# Altium PCB PCB.PcbDoc (part 2 of 3) (continued)
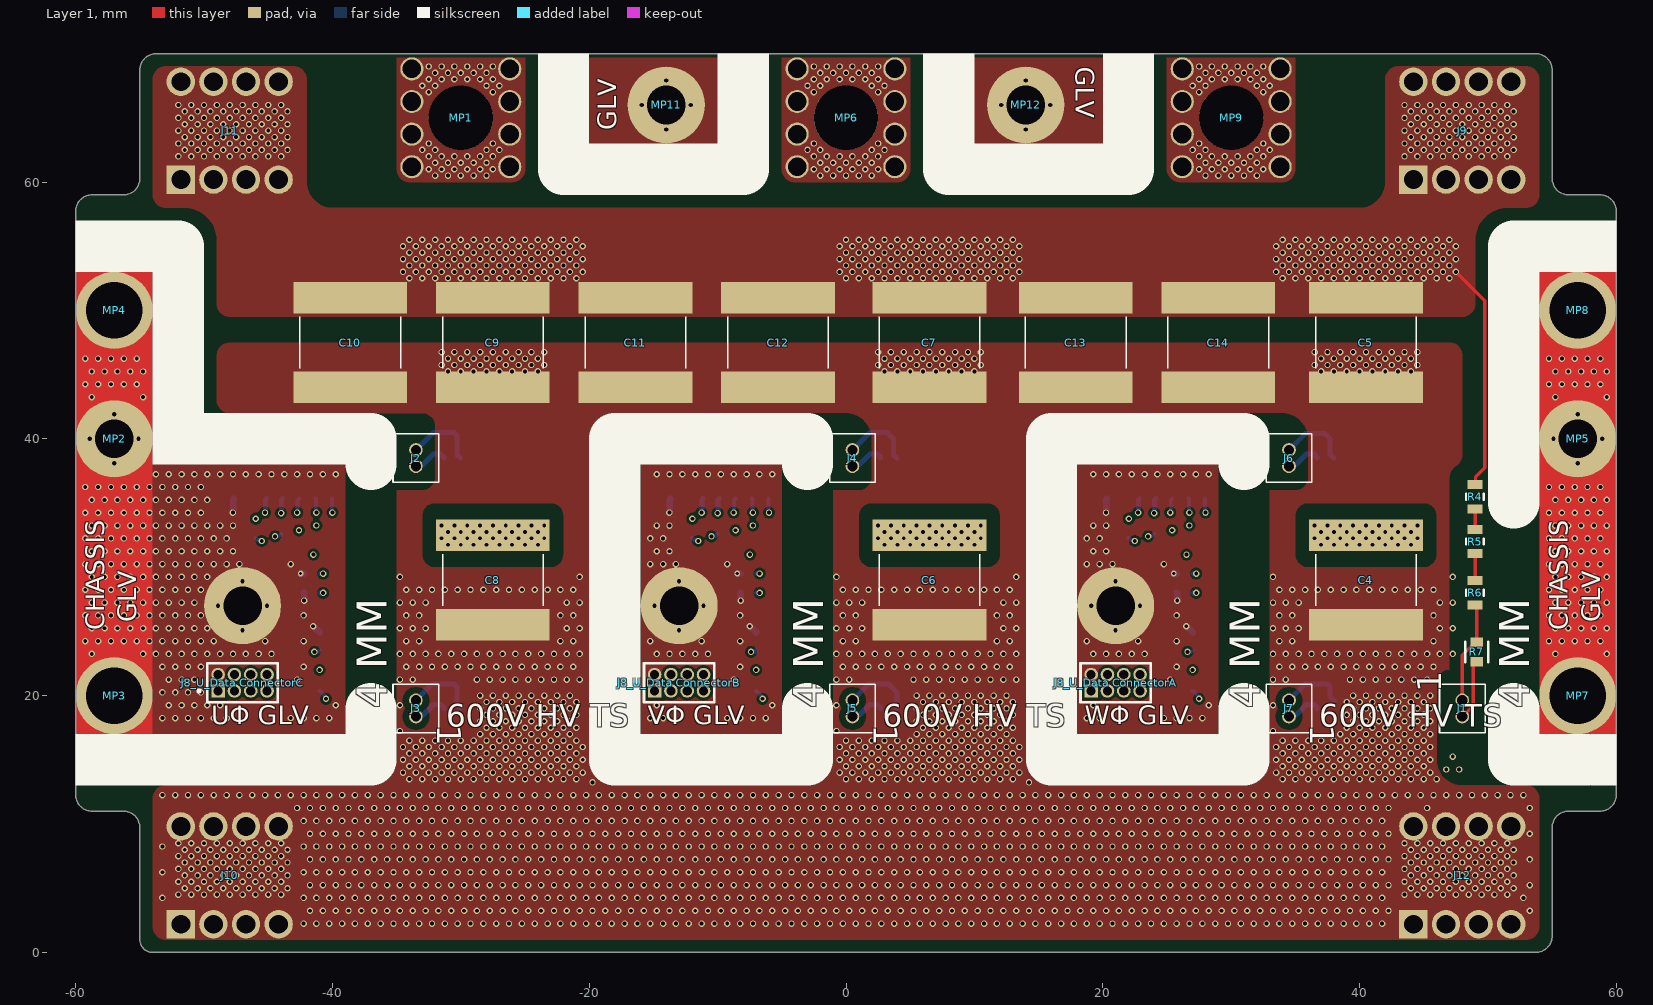
[diagram p0: Layer 1 view]
## Nets (pads, with @x,y where several pads share a name; then routed paths per layer and width w, separated by ;. In a path a pad name is that pad's centre, name@x,y a point inside that pad or via, vN(x,y) a via of type N, cw(c..) or ccw(c..) an arc to the next point about the centre after c; other vN are vias at no path point) (continued)
LU_1: MP11.1
  other v2: -14,64.095 -15.905,66 -12.095,66
  other v3: -14,67.905
NetIC1_U_totemA_2: IC1_U_totemA.2 Q1_U_totemA.S Q2_U_totemA.D
NetIC1_U_totemA_5: IC1_U_totemA.5 R2_U_totemA.2 R3_U_totemA.1 | length 6.3
  Layer 3 w0.3: v1(22.494,32.044) 23.169,32.044 24.007,32.882 24.382,32.882 25.212,33.712 25.212,34.212 v1(25.25,34.25)
  Layer 4 w0.3: R2_U_totemA.2@22,32.3 22.175,32.125 22.359,32.125 22.44,32.044 v1(22.494,32.044) ; v1(23.525,32.4) 23.563,32.438 23.838,32.438 R3_U_totemA.1@24,32.6 ; v1(25.25,34.25) 25.288,34.288 25.288,35.233 IC1_U_totemA.5@25.405,35.35
NetIC1_U_totemB_2: IC1_U_totemB.2 Q1_U_totemB.S Q2_U_totemB.D
NetIC1_U_totemB_5: IC1_U_totemB.5 R2_U_totemB.2 R3_U_totemB.1 | length 6.3
  Layer 3 w0.3: v1(-11.506,32.044) -10.831,32.044 -9.993,32.882 -9.618,32.882 -8.788,33.712 -8.788,34.212 v1(-8.75,34.25)
  Layer 4 w0.3: R2_U_totemB.2@-12,32.3 -11.825,32.125 -11.641,32.125 -11.56,32.044 v1(-11.506,32.044) ; v1(-10.475,32.4) -10.437,32.438 -10.162,32.438 R3_U_totemB.1@-10,32.6 ; v1(-8.75,34.25) -8.712,34.288 -8.712,35.233 IC1_U_totemB.5@-8.595,35.35
NetIC1_U_totemC_2: IC1_U_totemC.2 Q1_U_totemC.S Q2_U_totemC.D
NetIC1_U_totemC_5: IC1_U_totemC.5 R2_U_totemC.2 R3_U_totemC.1 | length 6.3
  Layer 3 w0.3: v1(-45.506,32.044) -44.831,32.044 -43.993,32.882 -43.618,32.882 -42.788,33.712 -42.788,34.212 v1(-42.75,34.25)
  Layer 4 w0.3: R2_U_totemC.2@-46,32.3 -45.825,32.125 -45.641,32.125 -45.56,32.044 v1(-45.506,32.044) ; v1(-44.475,32.4) -44.437,32.438 -44.162,32.438 R3_U_totemC.1@-44,32.6 ; v1(-42.75,34.25) -42.712,34.288 -42.712,35.233 IC1_U_totemC.5@-42.595,35.35
"NetJ8_U_Data ConnectorA_07": "J8_U_Data ConnectorA.07" "RT1_U_Data ConnectorA.2" | length 5.4
  Layer 2 w0.3: 22.905,20.365 25.91,23.37 26.562,23.37 v1(26.6,23.408)
  Layer 4 w0.3: v1(26.6,23.408) 26.876,23.408 27,23.532
"NetJ8_U_Data ConnectorB_07": "J8_U_Data ConnectorB.07" "RT1_U_Data ConnectorB.2" | length 5.4
  Layer 2 w0.3: -11.095,20.365 -8.09,23.37 -7.438,23.37 v1(-7.4,23.408)
  Layer 4 w0.3: v1(-7.4,23.408) -7.124,23.408 -7,23.532
"NetJ8_U_Data ConnectorC_07": "J8_U_Data ConnectorC.07" "RT1_U_Data ConnectorC.2" | length 5.4
  Layer 2 w0.3: -45.095,20.365 -42.09,23.37 -41.438,23.37 v1(-41.4,23.408)
  Layer 4 w0.3: v1(-41.4,23.408) -41.124,23.408 -41,23.532
NetR4_1: R4.1 R5.2 | length 1.6
  Layer 1 w0.254: R5.2@49,32.95 R4.1@49,34.5
NetR5_1: R5.1 R6.2 | length 2.1
  Layer 1 w0.254: R6.2@49,28.95 R5.1@49,31
RU_1: MP12.1
  other v2: 14,64.095 12.095,66 15.905,66
  other v3: 14,67.905
SENSE+: J1.1 R6.1 R7.2 | length 7.9
  Layer 1 w0.254: J1.1@48,19.635 48,23.142 49,24.142 R7.2@49,24.25 ; R6.1@49,27 49.129,26.871 R7.2@49.129,24.147
U_1: IC1_U_totemC.1 MP1.1
  other v1: -32,60.5 -31,60.5 -30,60.5 -29,60.5 -28,60.5 -32.5,61 -31.5,61 -30.5,61 -29.5,61 -28.5,61 -27.5,61 -32,61.5 -31,61.5 -30,61.5 -29,61.5 -28,61.5 -32.5,62 -31.5,62 -30.5,62 -29.5,62 -28.5,62 -27.5,62 -33,62.5 -32,62.5 -28,62.5 -27,62.5 -32.5,63 -27.5,63 -32.5,67 -27.5,67 -33,67.5 -32,67.5 -28,67.5 -27,67.5 -32.5,68 -31.5,68 -30.5,68 -29.5,68 -28.5,68 -27.5,68 -32,68.5 -31,68.5 -30,68.5 -29,68.5 -28,68.5 -32.5,69 -31.5,69 -30.5,69 -29.5,69 -28.5,69 -27.5,69
V_1: IC1_U_totemB.1 MP6.1
  other v1: -2,60.5 -1,60.5 0,60.5 1,60.5 2,60.5 -2.5,61 -1.5,61 -0.5,61 0.5,61 1.5,61 2.5,61 -2,61.5 -1,61.5 0,61.5 1,61.5 2,61.5 -2.5,62 -1.5,62 -0.5,62 0.5,62 1.5,62 2.5,62 -3,62.5 -2,62.5 2,62.5 3,62.5 -2.5,63 2.5,63 -2.5,67 2.5,67 -3,67.5 -2,67.5 2,67.5 3,67.5 -2.5,68 -1.5,68 -0.5,68 0.5,68 1.5,68 2.5,68 -2,68.5 -1,68.5 0,68.5 1,68.5 2,68.5 -2.5,69 -1.5,69 -0.5,69 0.5,69 1.5,69 2.5,69
V_SUPPLY_U_totemA: C1_U_totemA.2 FB1_U_totemA.1 IC1_U_totemA.4 | length 3.8
  Layer 3 w0.3: v1(25.4,32.875) 26.371,32.875 26.446,32.8 26.5,32.8 26.5,32.854 26.75,33.104 v1(26.75,33.25) v1(26.75,34.25)
  Layer 4 w0.3: IC1_U_totemA.4@26.675,35.35 26.712,35.312 26.712,34.288 v1(26.75,34.25)
V_SUPPLY_U_totemB: C1_U_totemB.2 FB1_U_totemB.1 IC1_U_totemB.4 | length 3.8
  Layer 3 w0.3: v1(-8.6,32.875) -7.629,32.875 -7.554,32.8 -7.5,32.8 -7.5,32.854 -7.25,33.104 v1(-7.25,33.25) v1(-7.25,34.25)
  Layer 4 w0.3: IC1_U_totemB.4@-7.325,35.35 -7.288,35.312 -7.288,34.288 v1(-7.25,34.25)
V_SUPPLY_U_totemC: C1_U_totemC.2 FB1_U_totemC.1 IC1_U_totemC.4 | length 3.8
  Layer 3 w0.3: v1(-42.6,32.875) -41.629,32.875 -41.554,32.8 -41.5,32.8 -41.5,32.854 -41.25,33.104 v1(-41.25,33.25) v1(-41.25,34.25)
  Layer 4 w0.3: IC1_U_totemC.4@-41.325,35.35 -41.288,35.312 -41.288,34.288 v1(-41.25,34.25)
W_1: IC1_U_totemA.1 MP9.1
  other v1: 28,60.5 29,60.5 30,60.5 31,60.5 32,60.5 27.5,61 28.5,61 29.5,61 30.5,61 31.5,61 32.5,61 28,61.5 29,61.5 30,61.5 31,61.5 32,61.5 27.5,62 28.5,62 29.5,62 30.5,62 31.5,62 32.5,62 27,62.5 28,62.5 32,62.5 33,62.5 27.5,63 32.5,63 27.5,67 32.5,67 27,67.5 28,67.5 32,67.5 33,67.5 27.5,68 28.5,68 29.5,68 30.5,68 31.5,68 32.5,68 28,68.5 29,68.5 30,68.5 31,68.5 32,68.5 27.5,69 28.5,69 29.5,69 30.5,69 31.5,69 32.5,69
pads on no net: "J8_U_Data ConnectorA.06" "J8_U_Data ConnectorA.08" "J8_U_Data ConnectorB.06" "J8_U_Data ConnectorB.08" "J8_U_Data ConnectorC.06" "J8_U_Data ConnectorC.08" IC1_U_totemA.8 IC1_U_totemA.10 IC1_U_totemB.8 IC1_U_totemB.10 IC1_U_totemC.8 IC1_U_totemC.10

## Polygon pours and split planes (outlines as drawn)
CHASSIS_L on Layer 3 "NONET_L01_P-001" (solid, pour order 146): -54,38 -54,53 -60,53 -60,17 -39,17 -39,38
HV-_1 on Layer 3 "NONET_L01_P-001" (solid, pour order 127): 50,21 46,21 46,17 50,17 50,12 31,12 31,13 ccw(c31,15) 33,15 33,36 36,36 36,35 ccw(c36,34) 35,34 35,31 ccw(c36,31) 36,30 45,30 ccw(c45,31) 46,31 46,34 ccw(c45,34) 45,35 45,36 50,36
HV-_1 on Layer 3 "NONET_L01_P-001" (solid, pour order 126): 11,36 11,35 cw(c11,34) 12,34 12,31 cw(c11,31) 11,30 2,30 cw(c2,31) 1,31 1,34 cw(c2,34) 2,35 2,36 -1,36 -1,15 cw(c-3,15) -3,13 -3,12 16,12 16,13 cw(c16,15) 14,15 14,36
HV-_1 on Layer 3 "NONET_L01_P-001" (solid, pour order 124): -23,36 -23,35 cw(c-23,34) -22,34 -22,31 cw(c-23,31) -23,30 -32,30 cw(c-32,31) -33,31 -33,34 cw(c-32,34) -32,35 -32,36 -35,36 -35,15 cw(c-37,15) -37,13 -37,12 -18,12 -18,13 cw(c-18,15) -20,15 -20,36
"GND_U_Data ConnectorA" on Layer 3 "NONET_L01_P-001" (solid, pour order 62): 18,38 18,17 29,17 29,38
"GND_U_Data ConnectorB" on Layer 3 "NONET_L01_P-001" (solid, pour order 61): -16,38 -16,17 -5,17 -5,38
U_1 on Layer 3 "NONET_L01_P-001" (solid, pour order 190): -35,61 -35,70 -25,70 -25,61 cw(c-26,61) -26,60 -34,60 cw(c-34,61)
W_1 on Layer 3 "NONET_L01_P-001" (solid, pour order 188): 25,61 25,70 35,70 35,61 cw(c34,61) 34,60 26,60 cw(c26,61)
V_1 on Layer 3 "NONET_L01_P-001" (solid, pour order 189): -5,61 -5,70 5,70 5,61 cw(c4,61) 4,60 -4,60 cw(c-4,61)
V_SUPPLY_U_totemC on Layer 3 "NONET_L01_P-001" (solid, pour order 183): -43,32.5 -43,33 -42,34 -42,36.5 -40.75,36.5 -40.75,34 -40,33.25 -40,32.5
3V_U_totemC on Layer 3 "NONET_L01_P-001" (solid, pour order 182): -41.75,32.25 -41.75,29.878 -41.25,29.378 -41.25,26.15 -39.872,26.15 -39.922,32.25
V_SUPPLY_U_totemB on Layer 3 "NONET_L01_P-001" (solid, pour order 181): -9,32.5 -9,33 -8,34 -8,36.5 -6.75,36.5 -6.75,34 -6,33.25 -6,32.5
3V_U_totemB on Layer 3 "NONET_L01_P-001" (solid, pour order 180): -7.75,32.25 -7.75,29.878 -7.25,29.378 -7.25,26.15 -5.872,26.15 -5.922,32.25
V_SUPPLY_U_totemA on Layer 3 "NONET_L01_P-001" (solid, pour order 164): 25,32.5 25,33 26,34 26,36.5 27.25,36.5 27.25,34 28,33.25 28,32.5
3V_U_totemA on Layer 3 "NONET_L01_P-001" (solid, pour order 163): 26.25,32.25 26.25,29.878 26.75,29.378 26.75,26.15 28.128,26.15 28.078,32.25
HV-_1 on Layer 3 "NONET_L01_P-001" (solid, pour order 116): 33,59 41,59 ccw(c42,59) 42,58 50,58 50,57 -50,57 -50,58 -42,58 ccw(c-42,59) -41,59 -33,59
RU_1 on Layer 3 "NONET_L01_P-001" (solid, pour order 157): 10,70 10,63 20,63 20,70
LU_1 on Layer 3 "NONET_L01_P-001" (solid, pour order 156): -20,70 -20,63 -10,63 -10,70
CHASSIS_R on Layer 3 "NONET_L01_P-001" (solid, pour order 147): 60,53 54,53 54,17 60,17
HV-_1 on Layer 3 "NONET_L01_P-001" (solid, pour order 93): -54,12 -54,2 ccw(c-53,2) -53,1 53,1 ccw(c53,2) 54,2 54,12 ccw(c53,12) 53,13 -53,13 ccw(c-53,12)
HV-_1 on Layer 3 "NONET_L01_P-001" (solid, pour order 115): -32,58 -32,57 -35,57 ccw(c-35,56) -36,56 -36,52 ccw(c-35,52) -35,51 -20,51 ccw(c-20,52) -19,52 -19,56 ccw(c-20,56) -20,57 -23,57 -23,58 1,58 1,57 -1,57 ccw(c-1,56) -2,56 -2,52 ccw(c-1,52) -1,51 14,51 ccw(c14,52.077) 15.077,52.077 15.077,55.923 ccw(c14,55.923) 14,57 12,57 12,58 34,58 34,57 33,57 ccw(c33,56) 32,56 32,52 ccw(c33,52) 33,51 48,51 ccw(c48,52) 49,52 49,56 ccw(c48,56) 48,57 46,57 46,58 50,58 50,49 -53,49 -53,58
HV-_1 on Layer 3 "NONET_L01_P-001" (solid, pour order 85): -34,35 -34,36 -33,36 ccw(c-33,37) -32,37 -32,40 ccw(c-34,40) -34,42 -53,42 -53,49 50,49 50,35 33,35 33,36 35,36 ccw(c35,37) 36,37 36,40 ccw(c34,40) 34,42 16,42 ccw(c16,40) 14,40 14,35 -1,35 -1,36 1,36 ccw(c1,37) 2,37 2,40 ccw(c0,40) 0,42 -18,42 ccw(c-18,40) -20,40 -20,35
HV-_1 on Layer 3 "NONET_L01_P-001" (solid, pour order 117): 48,13 48,12 53,12 53,13 53,57 ccw(c52,57) 52,58 50,58 50,15 cw(c48,15)
NetIC1_U_totemC_2 on Layer 4 "NONET_L01_P-001" (solid, pour order 167): -37,48 -33,48 -33,46 ccw(c-31,46) -31,44 -24,44 ccw(c-24,46) -22,46 -22,47 -20,47 -20,35 -35,35 -35,40 ccw(c-37,40) -37,42
HV-_1 on Layer 4 "NONET_L01_P-001" (solid, pour order 132): 31,13 ccw(c31,15) 33,15 33,30 48,30 48,15 ccw(c50,15) 50,13 50,12 31,12
HV-_1 on Layer 4 "NONET_L01_P-001" (solid, pour order 131): -37,13 ccw(c-37,15) -35,15 -35,30 -20,30 -20,15 ccw(c-18,15) -18,13 -18,12 -37,12
HV-_1 on Layer 4 "NONET_L01_P-001" (solid, pour order 130): -3,13 ccw(c-3,15) -1,15 -1,30 14,30 14,15 ccw(c16,15) 16,13 16,12 -3,12
NetIC1_U_totemA_2 on Layer 4 "NONET_L01_P-001" (solid, pour order 105): 31,48 35,48 35,46 ccw(c37,46) 37,44 44,44 ccw(c44,46) 46,46 46,47 48,47 48,35 33,35 33,40 ccw(c31,40) 31,42
NetIC1_U_totemB_2 on Layer 4 "NONET_L01_P-001" (solid, pour order 103): -3,48 1,48 1,46 ccw(c3,46) 3,44 10,44 ccw(c10,46) 12,46 12,47 14,47 14,35 -1,35 -1,40 ccw(c-3,40) -3,42
CHASSIS_L on Layer 4 "NONET_L01_P-001" (solid, pour order 186): -54,38 -54,53 -60,53 -60,17 -39,17 -39,38
"GND_U_Data ConnectorA" on Layer 4 "NONET_L01_P-001" (solid, pour order 185): 18,38 18,17 29,17 29,38
"GND_U_Data ConnectorB" on Layer 4 "NONET_L01_P-001" (solid, pour order 184): -16,38 -16,17 -5,17 -5,38
HV+_1 on Layer 4 "NONET_L01_P-001" (solid, pour order 197): 33,56 33,53 ccw(c34,53) 34,52 47,52 ccw(c47,53) 48,53 48,56
HV+_1 on Layer 4 "NONET_L01_P-001" (solid, pour order 196): -1,56 -1,53 ccw(c0,53) 0,52 13,52 ccw(c13,53) 14,53 14,56
HV+_1 on Layer 4 "NONET_L01_P-001" (solid, pour order 195): -35,56 -35,53 ccw(c-34,53) -34,52 -21,52 ccw(c-21,53) -20,53 -20,56
U_1 on Layer 4 "NONET_L01_P-001" (solid, pour order 194): -31,57 -28,57 ccw(c-28,60) -25,60 -25,70 -35,70 -35,64 cw(c-37,64) -37,62 -39,62 ccw(c-39,60.196) -40.804,60.196 -40.804,59.196 cw(c-43,59.196) -43,57 -48,57 ccw(c-48,55) -50,55 -50,42 -45,42 -45,49.46 cw(c-42.46,49.46) -42.46,52 -37,52 ccw(c-37,53) -36,53 -36,56 cw(c-35,56) -35,57
NetIC1_U_totemC_2 on Layer 4 "NONET_L01_P-001" (solid, pour order 168): -22,42 -22,46 ccw(c-24,46) -24,48 -31,48 ccw(c-31,46) -33,46 -33,42 -37,42 -44,42 -44,49 cw(c-42,49) -42,51 -20,51 -20,42
W_1 on Layer 4 "NONET_L01_P-001" (solid, pour order 144): 16,42 23,42 23,49.46 cw(c25.54,49.46) 25.54,52 31,52 ccw(c31,53) 32,53 32,56 cw(c33,56) 33,57 34,57 ccw(c34,58) 35,58 35,70 25,70 25,61 cw(c23,61) 23,59 21,59 ccw(c21,54) 16,54
V_1 on Layer 4 "NONET_L01_P-001" (solid, pour order 143): -18,42 -11,42 -11,49.46 cw(c-8.46,49.46) -8.46,52 -3,52 ccw(c-3,53) -2,53 -2,56 cw(c-1,56) -1,57 3,57 ccw(c3,59) 5,59 5,70 -5,70 -5,61 cw(c-7,61) -7,59 -13,59 ccw(c-13,54) -18,54
RU_1 on Layer 4 "NONET_L01_P-001" (solid, pour order 159): 10,70 10,63 20,63 20,70
LU_1 on Layer 4 "NONET_L01_P-001" (solid, pour order 158): -20,70 -20,63 -10,63 -10,70
HV-_1 on Layer 4 "NONET_L01_P-001" (solid, pour order 123): -54,12 -54,2 ccw(c-53,2) -53,1 53,1 ccw(c53,2) 54,2 54,12 ccw(c53,12) 53,13 -53,13 ccw(c-53,12)
NetIC1_U_totemA_2 on Layer 4 "NONET_L01_P-001" (solid, pour order 106): 46,42 46,46 ccw(c44,46) 44,48 37,48 ccw(c37,46) 35,46 35,42 31,42 24,42 24,49 cw(c26,49) 26,51 48,51 48,42
NetIC1_U_totemB_2 on Layer 4 "NONET_L01_P-001" (solid, pour order 104): 12,42 12,46 ccw(c10,46) 10,48 3,48 ccw(c3,46) 1,46 1,42 -3,42 -10,42 -10,49 cw(c-8,49) -8,51 14,51 14,42
HV+_1 on Layer 4 "NONET_L01_P-001" (solid, pour order 102): 42,68 42,59 ccw(c43,59) 43,58 53,58 ccw(c53,59) 54,59 54,68 ccw(c53,68) 53,69 43,69 ccw(c43,68)
HV+_1 on Layer 4 "NONET_L01_P-001" (solid, pour order 101): -54,68 -54,59 ccw(c-53,59) -53,58 -43,58 ccw(c-43,59) -42,59 -42,68 ccw(c-43,68) -43,69 -53,69 ccw(c-53,68)
HV+_1 on Layer 4 "NONET_L01_P-001" (solid, pour order 98): 42,64 45,64 45,62 54,62 54,59 cw(c53,59) 53,58 50,58 ccw(c50,56) 48,56 48,55 33,55 33,56 34,56 ccw(c34,58) 36,58 36,61 cw(c37,61) 37,62 40,62 ccw(c40,64)
CHASSIS_L on Layer 1 "NONET_L01_P-001" (solid, pour order 151): -55,38 -55,17 -39,17 -39,38
"GND_U_Data ConnectorB" on Layer 1 "NONET_L01_P-001" (solid, pour order 150): -16,38 -16,17 -5,17 -5,38
"GND_U_Data ConnectorA" on Layer 1 "NONET_L01_P-001" (solid, pour order 149): 18,38 18,17 29,17 29,38
CHASSIS_L on Layer 1 "NONET_L01_P-001" (solid, pour order 148): -50,38 -50,17 -39,17 -39,38
HV-_1 on Layer 1 "NONET_L01_P-001" (solid, pour order 113): 48,13 50,13 50,12 31,12 31,13 ccw(c31,15) 33,15 33,36 36,36 36,35 ccw(c36,34) 35,34 35,31 ccw(c36,31) 36,30 45,30 ccw(c45,31) 46,31 46,34 ccw(c45,34) 45,35 45,36 47,36 47,22 ccw(c47,21) 46,21 46,15 ccw(c48,15)
HV-_1 on Layer 1 "NONET_L01_P-001" (solid, pour order 112): 11,36 11,35 cw(c11,34) 12,34 12,31 cw(c11,31) 11,30 2,30 cw(c2,31) 1,31 1,34 cw(c2,34) 2,35 2,36 -1,36 -1,15 cw(c-3,15) -3,13 -3,12 16,12 16,13 cw(c16,15) 14,15 14,36
HV-_1 on Layer 1 "NONET_L01_P-001" (solid, pour order 111): -23,36 -23,35 cw(c-23,34) -22,34 -22,31 cw(c-23,31) -23,30 -32,30 cw(c-32,31) -33,31 -33,34 cw(c-32,34) -32,35 -32,36 -35,36 -35,15 cw(c-37,15) -37,13 -37,12 -18,12 -18,13 cw(c-18,15) -20,15 -20,36
U_1 on Layer 1 "NONET_L01_P-001" (solid, pour order 193): -35,61 -35,70 -25,70 -25,61 cw(c-26,61) -26,60 -34,60 cw(c-34,61)
V_1 on Layer 1 "NONET_L01_P-001" (solid, pour order 192): -5,61 -5,70 5,70 5,61 cw(c4,61) 4,60 -4,60 cw(c-4,61)
W_1 on Layer 1 "NONET_L01_P-001" (solid, pour order 191): 25,61 25,70 35,70 35,61 cw(c34,61) 34,60 26,60 cw(c26,61)
RU_1 on Layer 1 "NONET_L01_P-001" (solid, pour order 161): 10,70 10,63 20,63 20,70
LU_1 on Layer 1 "NONET_L01_P-001" (solid, pour order 160): -20,70 -20,63 -10,63 -10,70
HV-_1 on Layer 1 "NONET_L01_P-001" (solid, pour order 89): -35,36 -35,35 -20,35 -20,40 -32,40 -32,37 cw(c-33,37) -33,36
HV+_1 on Layer 1 "NONET_L01_P-001" (solid, pour order 119): 54,60 54,59 cw(c53,59) 53,58 51.54,58 ccw(c51.54,55.46) 49,55.46 49,50.5 cw(c48,50.5) 48,49.5 -48,49.5 cw(c-48,50.5) -49,50.5 -49,55.46 ccw(c-51.54,55.46) -51.54,58 -53,58 cw(c-53,59) -54,59 -54,60 -42,60 ccw(c-40,60) -40,58 40,58 ccw(c40,60) 42,60
HV-_1 on Layer 1 "NONET_L01_P-001" (solid, pour order 114): 48,38.75 48,46.5 ccw(c47,46.5) 47,47.5 -48,47.5 ccw(c-48,46.5) -49,46.5 -49,43 ccw(c-48,43) -48,42 -33,42 cw(c-33,41) -32,41 -32,40 -20,40 cw(c-18,40) -18,42 0,42 cw(c0,40) 2,40 2,37 cw(c1,37) 1,36 -1,36 -1,35 14,35 14,40 cw(c16,40) 16,42 34,42 cw(c34,40) 36,40 36,37 cw(c35,37) 35,36 33,36 33,35 47,35 47,37 cw(c48,37) 47.492,37.862 ccw(c46.969,38.75)
HV+_1 on Layer 1 "NONET_L01_P-001" (solid, pour order 121): 42,68 42,59 ccw(c43,59) 43,58 53,58 ccw(c53,59) 54,59 54,68 ccw(c53,68) 53,69 43,69 ccw(c43,68)
HV+_1 on Layer 1 "NONET_L01_P-001" (solid, pour order 120): -54,68 -54,59 ccw(c-53,59) -53,58 -43,58 ccw(c-43,59) -42,59 -42,68 ccw(c-43,68) -43,69 -53,69 ccw(c-53,68)
HV-_1 on Layer 1 "NONET_L01_P-001" (solid, pour order 78): -54,12 -54,2 ccw(c-53,2) -53,1 53,1 ccw(c53,2) 54,2 54,12 ccw(c53,12) 53,13 -53,13 ccw(c-53,12)
no net on Top Solder "NONET_L01_P-001" (solid): -49,45 48,45 48,42 -48,42 cw(c-48,43) -49,43
no net on Top Solder "NONET_L01_P-001" (solid): -53,1 -53,12 53,12 53,1
no net on Top Solder "NONET_L01_P-001" (solid): -53,69 ccw(c-53,68) -54,68 -54,59 ccw(c-53,59) -53,58 -43,58 ccw(c-43,59) -42,59 -42,68 ccw(c-43,68) -43,69
no net on Top Solder "NONET_L01_P-001" (solid): 43,69 ccw(c43,68) 42,68 42,59 ccw(c43,59) 43,58 53,58 ccw(c53,59) 54,59 54,68 ccw(c53,68) 53,69
no net on Top Solder "NONET_L01_P-001" (solid): -53,12 ccw(c-53,11) -54,11 -54,2 ccw(c-53,2) -53,1 -43,1 ccw(c-43,2) -42,2 -42,11 ccw(c-43,11) -43,12
no net on Top Solder "NONET_L01_P-001" (solid): 43,12 ccw(c43,11) 42,11 42,2 ccw(c43,2) 43,1 53,1 ccw(c53,2) 54,2 54,11 ccw(c53,11) 53,12
no net on Top Solder "NONET_L01_P-001" (solid): 42,57.5 42,59 49,59 49,50.5 -49,50.5 -49,58 -44,58 -44,61 -42,61 -42,57.5
no net on Top Solder "NONET_L01_P-001" (solid): -35,61 -35,70 -25,70 -25,61 cw(c-26,61) -26,60 -34,60 cw(c-34,61)
no net on Top Solder "NONET_L01_P-001" (solid): -5,61 -5,70 5,70 5,61 cw(c4,61) 4,60 -4,60 cw(c-4,61)
no net on Top Solder "NONET_L01_P-001" (solid): 25,61 25,70 35,70 35,61 cw(c34,61) 34,60 26,60 cw(c26,61)
no net on Bottom Solder "NONET_L01_P-001" (solid): -20,20.5 -29.2,20.5 -29.2,17.5 -29.1,17.5 -29.1,17 -35,17 -35,15.5 -20,15.5
no net on Bottom Solder "NONET_L01_P-001" (solid): 14,20.5 4.8,20.5 4.8,17.5 4.9,17.5 4.9,17 -1,17 -1,15.5 14,15.5
no net on Bottom Solder "NONET_L01_P-001" (solid): 48,17 cw(c48,18) 47,18 47,20.5 38.8,20.5 38.8,17.5 38.9,17.5 38.9,17 33,17 33,15.5 48,15.5
no net on Bottom Solder "NONET_L01_P-001" (solid): 48,40 38.8,40 38.8,37 38.9,37 38.9,36.5 33,36.5 33,35 48,35
no net on Bottom Solder "NONET_L01_P-001" (solid): 14,40 4.8,40 4.8,37 4.9,37 4.9,36.5 -1,36.5 -1,35 14,35
no net on Bottom Solder "NONET_L01_P-001" (solid): -20,40 -29.2,40 -29.2,37 -29.1,37 -29.1,36.5 -35,36.5 -35,35 -20,35
no net on Bottom Solder "NONET_L01_P-001" (solid): 33,54 48,54 48,56 33,56
no net on Bottom Solder "NONET_L01_P-001" (solid): -1,54 14,54 14,56 -1,56
HV+_1 on Bottom Solder "NONET_L01_P-001" (solid, pour order 72): -35,54 -20,54 -20,56 -35,56
U_1 on Bottom Solder "NONET_L01_P-001" (solid, pour order 169): -31,57 -28,57 ccw(c-28,60) -25,60 -25,70 -35,70 -35,64 cw(c-37,64) -37,62 -39,62 ccw(c-39,60.196) -40.804,60.196 -40.804,59.196 cw(c-43,59.196) -43,57 -48,57 ccw(c-48,55) -50,55 -50,42 -45,42 -45,49.46 cw(c-42.46,49.46) -42.46,52 -37,52 ccw(c-37,53) -36,53 -36,56 cw(c-35,56) -35,57
no net on Bottom Solder "NONET_L01_P-001" (solid): -53,1 -53,12 53,12 53,1
no net on Bottom Solder "NONET_L01_P-001" (solid): -53,12 ccw(c-53,11) -54,11 -54,2 ccw(c-53,2) -53,1 -43,1 ccw(c-43,2) -42,2 -42,11 ccw(c-43,11) -43,12
no net on Bottom Solder "NONET_L01_P-001" (solid): -53,69 ccw(c-53,68) -54,68 -54,59 ccw(c-53,59) -53,58 -43,58 ccw(c-43,59) -42,59 -42,68 ccw(c-43,68) -43,69
no net on Bottom Solder "NONET_L01_P-001" (solid): 43,69 ccw(c43,68) 42,68 42,59 ccw(c43,59) 43,58 53,58 ccw(c53,59) 54,59 54,68 ccw(c53,68) 53,69
no net on Bottom Solder "NONET_L01_P-001" (solid): 43,12 ccw(c43,11) 42,11 42,2 ccw(c43,2) 43,1 53,1 ccw(c53,2) 54,2 54,11 ccw(c53,11) 53,12
no net on Bottom Solder "NONET_L01_P-001" (solid): -53,1 -53,12 53,12 53,1
no net on Bottom Solder "NONET_L01_P-001" (solid): -53,1 -53,12 53,12 53,1
W_1 on Bottom Solder "NONET_L01_P-001" (solid, pour order 74): 16,42 23,42 23,49.46 cw(c25.54,49.46) 25.54,52 31,52 ccw(c31,53) 32,53 32,56 cw(c33,56) 33,57 34,57 ccw(c34,58) 35,58 35,70 25,70 25,61 cw(c23,61) 23,59 21,59 ccw(c21,54) 16,54
V_1 on Bottom Solder "NONET_L01_P-001" (solid, pour order 73): -18,42 -11,42 -11,49.46 cw(c-8.46,49.46) -8.46,52 -3,52 ccw(c-3,53) -2,53 -2,56 cw(c-1,56) -1,57 3,57 ccw(c3,59) 5,59 5,70 -5,70 -5,61 cw(c-7,61) -7,59 -13,59 ccw(c-13,54) -18,54
no net on Bottom Solder "NONET_L01_P-001" (solid): -35,61 -35,70 -25,70 -25,61 cw(c-26,61) -26,60 -34,60 cw(c-34,61)
no net on Bottom Solder "NONET_L01_P-001" (solid): 25,61 25,70 35,70 35,61 cw(c34,61) 34,60 26,60 cw(c26,61)
no net on Bottom Solder "NONET_L01_P-001" (solid): -5,61 -5,70 5,70 5,61 cw(c4,61) 4,60 -4,60 cw(c-4,61)
HV-_1 on Layer 2 "NONET_L01_P-001" (solid, pour order 129): 49,13 49,12 47,12 31,12 31,13 ccw(c31,15) 33,15 33,28 cw(c34,28) 34,29 47,29 47,15 ccw(c49,15)
HV-_1 on Layer 2 "NONET_L01_P-001" (solid, pour order 128): -37,13 ccw(c-37,15) -35,15 -35,28 cw(c-34,28) -34,29 -21,29 cw(c-21,28) -20,28 -20,15 ccw(c-18,15) -18,13 -18,12 -37,12
CHASSIS_L on Layer 2 "NONET_L01_P-001" (solid, pour order 75): -54,38 -54,53 -60,53 -60,17 -39,17 -39,38
HV-_1 on Layer 2 "NONET_L01_P-001" (solid, pour order 67): -3,13 ccw(c-3,15) -1,15 -1,28 cw(c0,28) 0,29 13,29 cw(c13,28) 14,28 14,15 ccw(c16,15) 16,13 16,12 -3,12
"GND_U_Data ConnectorB" on Layer 2 "NONET_L01_P-001" (solid, pour order 64): -16,38 -16,17 -5,17 -5,38
"GND_U_Data ConnectorA" on Layer 2 "NONET_L01_P-001" (solid, pour order 63): 18,38 18,17 29,17 29,38
U_1 on Layer 2 "NONET_L01_P-001" (solid, pour order 187): -35,61 -35,70 -25,70 -25,61 cw(c-26,61) -26,60 -34,60 cw(c-34,61)
W_1 on Layer 2 "NONET_L01_P-001" (solid, pour order 90): 25,61 25,70 35,70 35,61 cw(c34,61) 34,60 26,60 cw(c26,61)
V_1 on Layer 2 "NONET_L01_P-001" (solid, pour order 91): -5,61 -5,70 5,70 5,61 cw(c4,61) 4,60 -4,60 cw(c-4,61)
HV+_1 on Layer 2 "NONET_L01_P-001" (solid, pour order 145): 38,61 38,60 cw(c37,60) 37,59 -37,59 cw(c-37,60) -38,60 -38,61 ccw(c-39,61) -39,62 -40,62 cw(c-40,64) -42,64 -43,64 -43,58 43,58 43,64 42,64 cw(c40,64) 40,62 39,62 ccw(c39,61)
RU_1 on Layer 2 "NONET_L01_P-001" (solid, pour order 155): 10,70 10,63 20,63 20,70
LU_1 on Layer 2 "NONET_L01_P-001" (solid, pour order 154): -20,70 -20,63 -10,63 -10,70
HV+_1 on Layer 2 "NONET_L01_P-001" (solid, pour order 122): 50,30 50,40 48,40 48,46 46,46 46,45 cw(c45,45) 45,44 36,44 cw(c36,45) 35,45 35,46 12,46 12,45 cw(c11,45) 11,44 1,44 1,46 -22,46 -22,44 -33,44 -33,46 -50,46 -50,43 ccw(c-49,43) -49,42 -33,42 cw(c-33,41) -32,41 -32,37 cw(c-33,37) -33,36 -34,36 ccw(c-34,35) -35,35 -35,31 ccw(c-34,31) -34,30 -21,30 ccw(c-21,31) -20,31 -20,41 cw(c-19,41) -19,42 1,42 cw(c1,41) 2,41 2,37 cw(c1,37) 1,36 0,36 ccw(c0,35) -1,35 -1,31 ccw(c0,31) 0,30 13,30 ccw(c13,31) 14,31 14,41 cw(c15,41) 15,42 35,42 cw(c35,41) 36,41 36,37 cw(c35,37) 35,36 34,36 ccw(c34,35) 33,35 33,31 ccw(c34,31) 34,30
HV+_1 on Layer 2 "NONET_L01_P-001" (solid, pour order 79): -32,44 -30,44 -30,43 -50,43 -50,55 ccw(c-52,55) -52,57 -54,57 -54,60 -42,60 ccw(c-40,60) -40,58 40,58 ccw(c40,60) 42,60 54,60 54,57 52,57 ccw(c52,55) 50,55 50,39 46,39 46,47 ccw(c45,47) 45,48 36,48 ccw(c36,47) 35,47 35,43 12,43 12,47 ccw(c11,47) 11,48 2,48 ccw(c2,47) 1,47 1,45 ccw(c2,45) 2,44 3,44 3,43 -24,43 -24,44 -23,44 ccw(c-23,45) -22,45 -22,47 ccw(c-23,47) -23,48 -32,48 ccw(c-32,47) -33,47 -33,45 ccw(c-32,45)
CHASSIS_R on Layer 2 "NONET_L01_P-001" (solid, pour order 152): 60,53 54,53 54,17 60,17
HV-_1 on Layer 2 "NONET_L01_P-001" (solid, pour order 109): -54,12 -54,2 ccw(c-53,2) -53,1 53,1 ccw(c53,2) 54,2 54,12 ccw(c53,12) 53,13 -53,13 ccw(c-53,12)
HV+_1 on Layer 2 "NONET_L01_P-001" (solid, pour order 99): -54,68 -54,59 ccw(c-53,59) -53,58 -43,58 ccw(c-43,59) -42,59 -42,68 ccw(c-43,68) -43,69 -53,69 ccw(c-53,68)
HV+_1 on Layer 2 "NONET_L01_P-001" (solid, pour order 100): 42,68 42,59 ccw(c43,59) 43,58 53,58 ccw(c53,59) 54,59 54,68 ccw(c53,68) 53,69 43,69 ccw(c43,68)

## Other copper
Layer 1:
  rectangle net CHASSIS_L: -60,17 -54,53
  rectangle net CHASSIS_R: 54,17 60,53
Layer 4:
  rectangle net CHASSIS_L: -60,17 -54,53
  rectangle net CHASSIS_R: 54,17 60,53

## Silkscreen, mask and mechanical layers (free items; w line width, h text height)
Top Overlay:
  region: -20,67 -20,70 -24,70 -24,67
  region: -6,67 -6,70 -10,70 -10,67
  region: 24,67 24,70 20,70 20,67
  region: 10,67 10,70 6,70 6,67
  rectangle: 57,53 60,57
  rectangle: 58,13 60,17
  rectangle: -60,53 -57,57
  rectangle: -54,38 -50,42
  rectangle: -60,13 -56,17
  lines w4: -57,55 -52,55 -52,40 ; -56,15 -37,15 -37,19 ; -51,40 -37,40 -37,38 ; -22,67 -22,61 -8,61 -8,67 ; -3,19 -3,15 -18,15 -18,40 -3,40 -3,38 ; 8,67 8,61 22,61 22,67 ; 31,19 31,15 16,15 16,40 31,40 31,38 ; 52,19 52,15 ; 52,35 52,55 57,55 ; 57.675,15 52,15 ; 52,15 52,15
  text "GLV" at 17.383,68.962 h2.5 r270
  text "GLV" at -17.383,64.038 h2.5 r90
  text "CHASSIS /  GLV" at -54.766,25.076 h2.5 r90
  text "CHASSIS /  GLV" at 59.234,25.076 h2.5 r90
  text "4 MM" at -35,19 h4 r90
  text "4 MM" at -1,19 h4 r90
  text "4 MM" at 33,19 h4 r90
  text "4 MM" at 54,19 h4 r90
  text "UΦ GLV" at -49.424,17.252 h2.5
  text "VΦ GLV" at -15.424,17.252 h2.5
  text "WΦ GLV" at 18.576,17.252 h2.5
  text "600V HV TS" at -31.142,17 h3
  text "600V HV TS" at 2.858,17 h3
  text "600V HV TS" at 36.858,17 h3
Bottom Overlay:
  region: -6,67 -6,70 -10,70 -10,67
  region: -20,67 -20,70 -24,70 -24,67
  region: 24,67 24,70 20,70 20,67
  region: 10,67 10,70 6,70 6,67
  rectangle: 57,53 60,57
  rectangle: 58,13 60,17
  rectangle: -60,53 -57,57
  rectangle: -60,13 -56,17
  rectangle: -54,38 -50,42
  lines w4: -57,55 -52,55 -52,40 ; -56,15 -37,15 -37,19 ; -51,40 -37,40 -37,38 ; -22,67 -22,61 -8,61 -8,67 ; -3,19 -3,15 -18,15 -18,40 -3,40 -3,38 ; 8,67 8,61 22,61 22,67 ; 31,19 31,15 16,15 16,40 31,40 31,38 ; 52,19 52,15 ; 52,35 52,55 57,55 ; 57.675,15 52,15 ; 52,15 52,15
  text "GLV" at 17.383,68.962 h2.5 r270
  text "GLV" at -17.383,64.038 h2.5 r90
  text "4 MM" at 54,39 h4 r90
  text "4 MM" at -35,38.212 h4 r90
  text "4 MM" at -1,38.212 h4 r90
  text "4 MM" at 33,38.212 h4 r90
  text "CHASSIS /  GLV" at -54.766,34.924 h2.5 r90
  text "CHASSIS /  GLV" at 59.234,34.924 h2.5 r90
  text "UΦ GLV" at -39.576,17.252 h2.5
  text "VΦ GLV" at -5.576,17.252 h2.5
  text "WΦ GLV" at 28.424,17.252 h2.5
  text "600V HV TS" at -21.25,12.75 h3
  text "600V HV TS" at 12.75,12.75 h3
  text "600V HV TS" at 46.75,12.75 h3